# Allegro board 8880F5-0823_1_maisha.brd (continued)
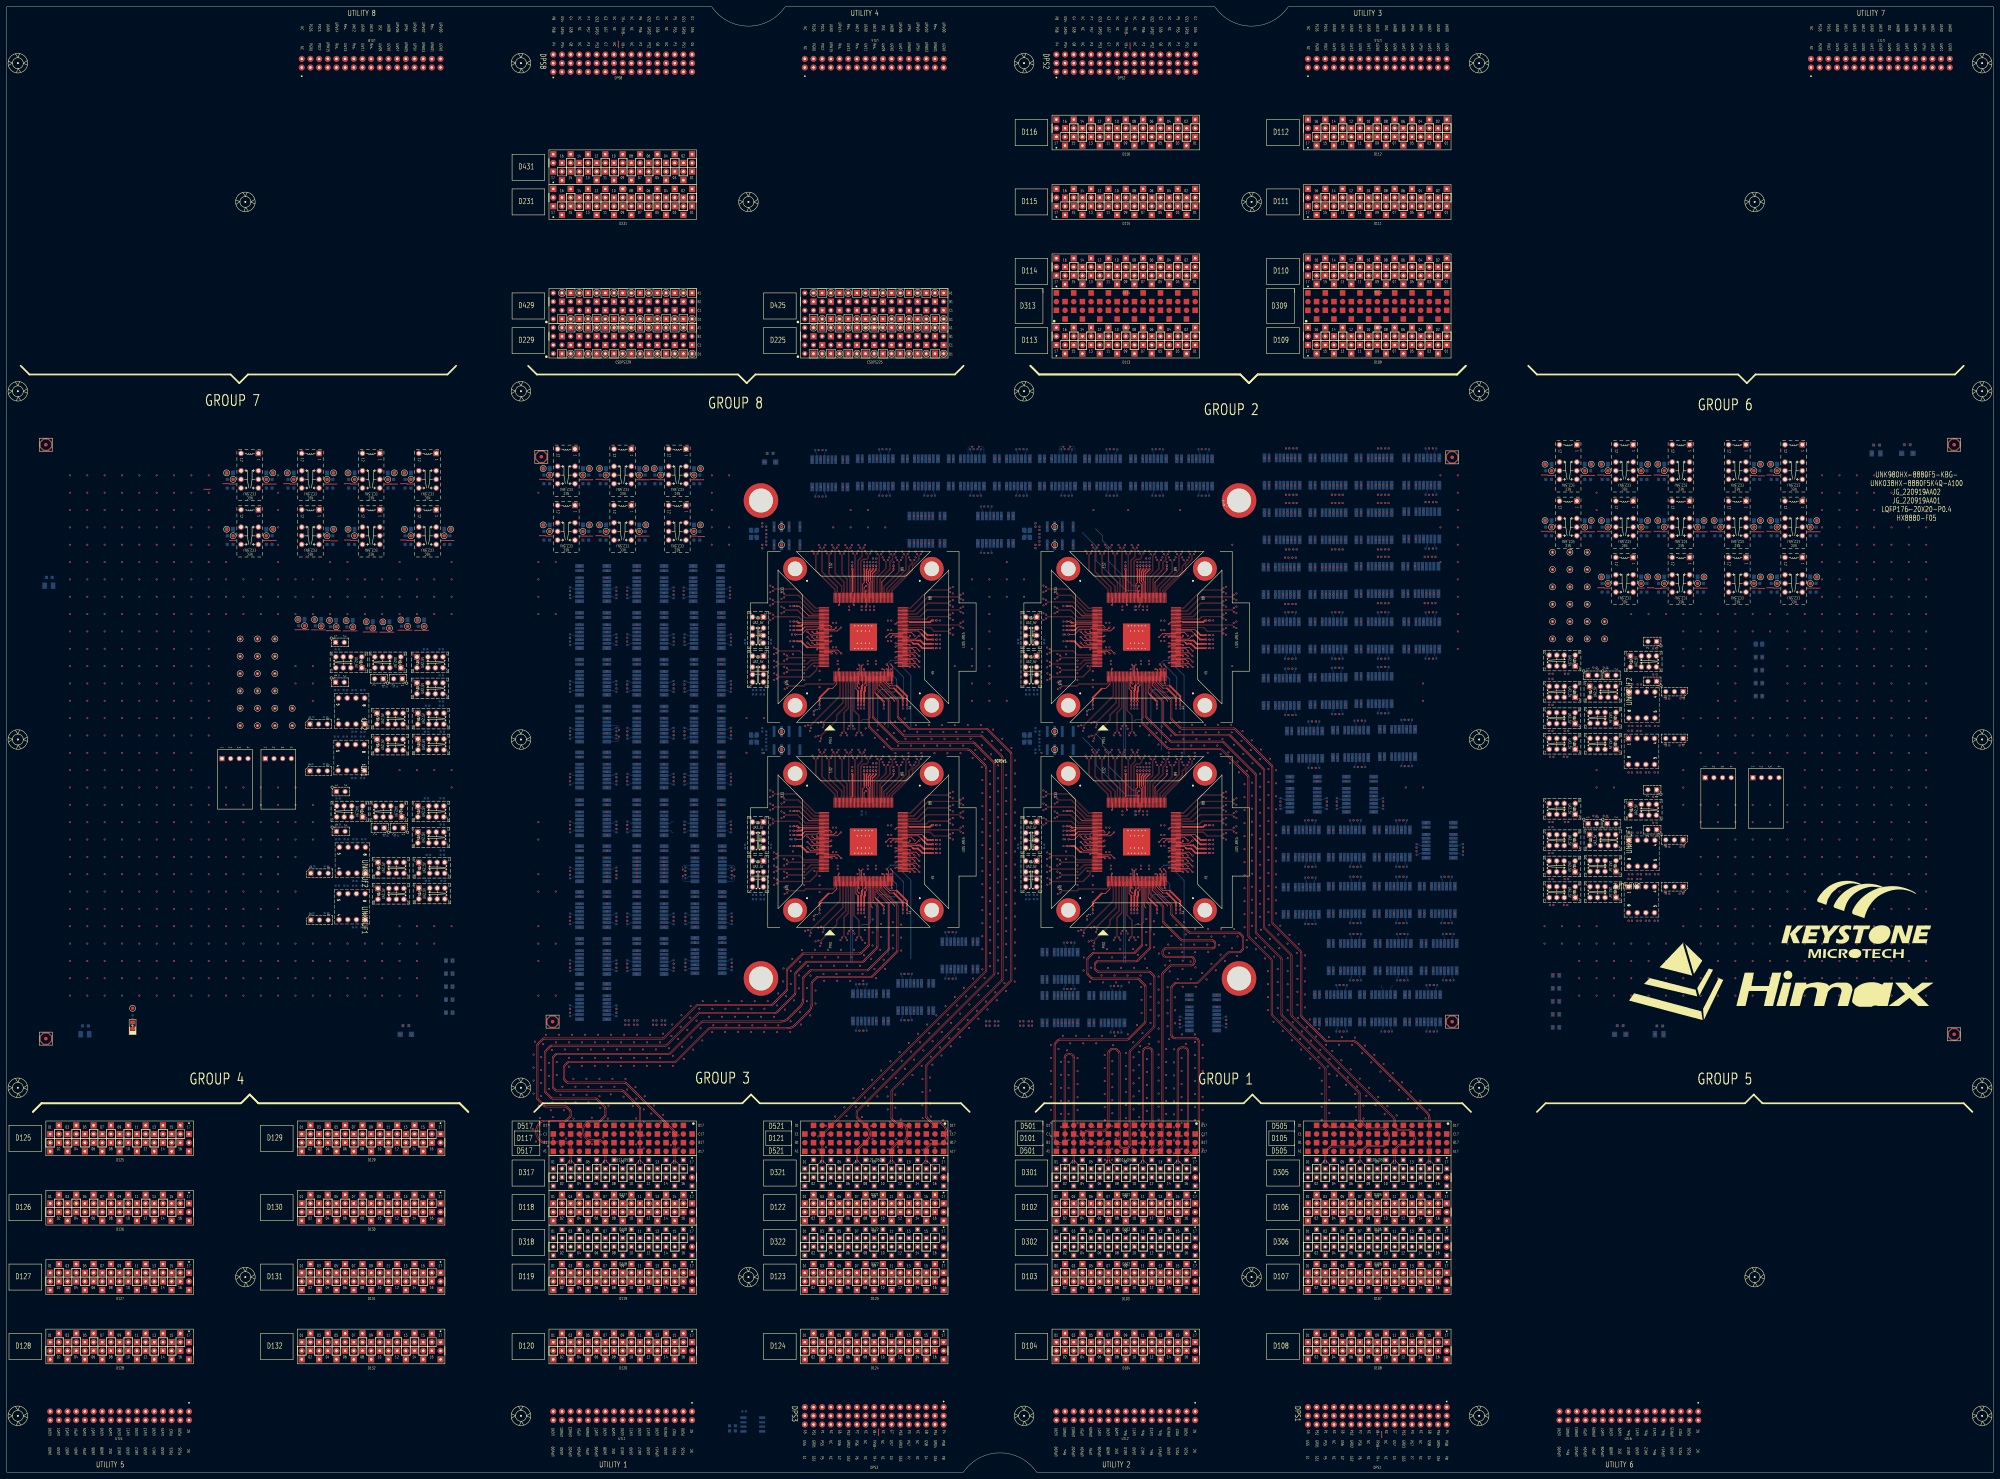
[diagram p0: board, top side]
## Placement (name value [footprint] x y rotation side) (continued)
NOREF#697  -  []  320.42 131.64 0 top
NOREF#698  -  []  459.28 227 0 top
NOREF#699  -  []  192.57 228.97 90 top
NOREF#700  -  []  415.6 146.88 0 top
NOREF#701  -  []  286.81 272.1 0 top
NOREF#702  -  []  165.8 199.39 90 top
NOREF#703  -  []  413.71 148.15 90 top
NOREF#704  -  []  411.52 146.33 90 top
NOREF#705  -  []  182.57 226.57 90 top
NOREF#706  -  []  184.47 242.78 90 top
NOREF#707  -  []  215.96 188.49 0 top
NOREF#708  -  []  400.34 194.68 90 top
NOREF#709  -  []  460.93 210.36 90 top
NOREF#710  -  []  392.47 224.4 90 top
NOREF#711  -  []  279.27 288.86 0 top
NOREF#712  -  []  407.71 217.61 0 top
NOREF#713  -  []  257.9 186.35 90 top
NOREF#714  -  []  352.24 182.32 90 top
NOREF#715  -  []  199.59 243.9 90 top
NOREF#716  -  []  117.26 190.55 90 top
NOREF#717  -  []  338.36 288.91 90 top
NOREF#718  -  []  272.55 181.37 0 top
NOREF#719  -  []  247.89 204.35 90 top
NOREF#720  -  []  310.73 247.93 0 top
NOREF#721  -  []  184.47 244.98 90 top
NOREF#722  -  []  182.82 189.04 90 top
NOREF#723  -  []  271.34 243.91 0 top
NOREF#724  -  []  167.7 229.07 90 top
NOREF#725  -  []  354.37 130.67 90 top
NOREF#726  -  []  384.08 209.16 90 top
NOREF#727  -  []  107.02 171.57 0 top
NOREF#728  -  []  330.51 288.86 0 top
NOREF#729  -  []  332.51 205.56 0 top
NOREF#730  -  []  511.59 293.82 90 top
NOREF#731  -  []  448.94 292.92 90 top
NOREF#732  -  []  395.2 297.12 0 top
NOREF#733  -  []  222.67 298 90 top
NOREF#734  -  []  167.7 233.47 90 top
NOREF#735  -  []  411.26 179.7 90 top
NOREF#736  -  []  184.47 163.2 90 top
NOREF#737  -  []  318.32 131.64 0 top
NOREF#738  -  []  184.47 231.27 90 top
NOREF#739  -  []  251.62 205.56 90 top
NOREF#740  -  []  386.46 131.89 0 top
NOREF#741  -  []  230.41 246.34 90 top
NOREF#742  -  []  252.51 205.55 0 top
NOREF#743  -  []  165.8 131.57 0 top
NOREF#744  -  []  396.55 257.37 0 top
NOREF#745  -  []  250.5 288.86 0 top
NOREF#746  -  []  331.62 205.56 0 top
NOREF#747  -  []  374.34 210.38 90 top
NOREF#748  -  []  329.28 165.04 90 top
NOREF#749  -  []  369.38 224.6 0 top
NOREF#750  -  []  380.59 271.21 0 top
NOREF#751  -  []  331.54 192.73 90 top
NOREF#752  -  []  218.13 274.06 90 top
NOREF#753  -  []  168.13 145.38 90 top
NOREF#754  -  []  251.62 265.56 90 top
NOREF#755  -  []  352.24 181.05 90 top
NOREF#756  -  []  333.72 205.86 90 top
NOREF#757  -  []  229.51 249.2 0 top
NOREF#758  -  []  333.4 265.56 90 top
NOREF#759  -  []  249.85 224.72 0 top
NOREF#760  -  []  250.23 132.14 0 top
NOREF#761  -  []  215.96 248.49 0 top
NOREF#762  -  []  309.51 247.93 0 top
NOREF#763  -  []  456.08 195.91 0 top
NOREF#764  -  []  470.71 227 90 top
NOREF#765  -  []  395.2 265.37 0 top
NOREF#766  -  []  461.96 210.36 0 top
NOREF#767  -  []  284.79 272.65 90 top
NOREF#768  -  []  378.33 257.11 90 top
NOREF#769  -  []  209.59 147.43 90 top
NOREF#770  -  []  405.17 131.89 0 top
NOREF#771  -  []  168.13 159.1 90 top
NOREF#772  -  []  231.15 159.63 90 top
NOREF#773  -  []  369.38 224.6 0 top
NOREF#774  -  []  184.89 227.17 90 top
NOREF#775  -  []  93.76 271.33 90 top
NOREF#776  -  []  459.24 175.86 90 top
NOREF#777  -  []  184.47 174.46 90 top
NOREF#778  -  []  120.24 171.1 0 top
NOREF#779  -  []  215.96 188.49 0 top
NOREF#780  -  []  344.37 128.27 90 top
NOREF#781  -  []  394.05 255.47 0 top
NOREF#782  -  []  419.4 171.64 0 top
NOREF#783  -  []  385.19 249.11 0 top
NOREF#784  -  []  101.82 271.33 90 top
NOREF#785  -  []  470.71 183.57 90 top
NOREF#786  -  []  241.6 296.61 0 top
NOREF#787  -  []  468.85 259.9 90 top
NOREF#788  -  []  272.8 157.28 0 top
NOREF#789  -  []  265.64 280.1 0 top
NOREF#790  -  []  199.84 162.12 90 top
NOREF#791  -  []  379.52 171.39 0 top
NOREF#792  -  []  199.59 216.47 90 top
NOREF#793  -  []  226.27 216.63 90 top
NOREF#794  -  []  175.7 202.99 90 top
NOREF#795  -  []  127.95 222.33 0 top
NOREF#796  -  []  394.66 226.38 90 top
NOREF#797  -  []  422.7 163.64 0 top
NOREF#798  -  []  230.43 193.37 0 top
NOREF#799  -  []  84.04 287.84 90 top
NOREF#800  -  []  119.95 222.33 0 top
NOREF#801  -  []  254.29 205.55 0 top
NOREF#802  -  []  272.25 243.59 90 top
NOREF#803  -  []  274.37 147.93 90 top
NOREF#804  -  []  334.81 296.86 0 top
NOREF#805  -  []  339.65 265.86 90 top
NOREF#806  -  []  251.05 204.65 90 top
NOREF#807  -  []  369.38 257.11 0 top
NOREF#808  -  []  403.41 209.61 0 top
NOREF#809  -  []  383.09 289.12 0 top
NOREF#810  -  []  375.22 163.39 0 top
NOREF#811  -  []  387.2 207.46 0 top
NOREF#812  -  []  115.36 235.64 90 top
NOREF#813  -  []  318.32 131.64 0 top
NOREF#814  -  []  404.4 225.16 90 top
NOREF#815  -  []  238.3 223.52 90 top
NOREF#816  -  []  392.47 272.56 90 top
NOREF#817  -  []  273.09 288.31 90 top
NOREF#818  -  []  122.15 195.15 0 top
NOREF#819  -  []  412.79 209.06 90 top
NOREF#820  -  []  116.01 214.71 0 top
NOREF#821  -  []  98.53 238.84 0 top
NOREF#822  -  []  333.4 205.55 0 top
NOREF#823  -  []  450.03 225.6 0 top
NOREF#824  -  []  272.25 249.82 0 top
NOREF#825  -  []  338.2 186.67 0 top
NOREF#826  -  []  332.51 265.55 0 top
NOREF#827  -  []  192.47 189.02 90 top
NOREF#828  -  []  406.65 255.47 90 top
NOREF#829  -  []  330.49 164.74 90 top
NOREF#830  -  []  248.21 132.69 90 top
NOREF#831  -  []  511.59 276.41 90 top
NOREF#832  -  []  234.7 286.71 90 top
NOREF#833  -  []  471.21 175.95 90 top
NOREF#834  -  []  155.57 275.14 90 top
NOREF#835  -  []  379.01 288.67 90 top
NOREF#836  -  []  167.7 231.27 90 top
NOREF#837  -  []  463.61 179.15 0 top
NOREF#838  -  []  166.06 257.62 90 top
NOREF#839  -  []  334.61 204.65 90 top
NOREF#840  -  []  406.19 188.15 0 top
NOREF#841  -  []  297.71 216.09 0 top
NOREF#842  -  []  118.7 182.93 90 top
NOREF#843  -  []  384.59 162.94 90 top
NOREF#844  -  []  481.96 276.41 90 top
NOREF#845  -  []  235.4 289.88 90 top
NOREF#846  -  []  451.68 195.91 0 top
NOREF#847  -  []  249.15 296.86 0 top
NOREF#848  -  []  326.17 131.69 90 top
NOREF#849  -  []  375.22 180.15 0 top
NOREF#850  -  []  410.52 273.37 0 top
NOREF#851  -  []  405.5 225.11 90 top
NOREF#852  -  []  329.6 163.52 90 top
NOREF#853  -  []  321.82 167.13 90 top
NOREF#854  -  []  250.18 242.88 0 top
NOREF#855  -  []  319.15 296.86 0 top
NOREF#856  -  []  184.47 151.68 90 top
NOREF#857  -  []  388.43 146.88 0 top
NOREF#858  -  []  385.19 232.85 0 top
NOREF#859  -  []  409.43 139.89 0 top
NOREF#860  -  []  343.98 288.86 0 top
NOREF#861  -  []  201.23 206.29 90 top
NOREF#862  -  []  182.82 175.58 90 top
NOREF#863  -  []  127.55 184.33 90 top
NOREF#864  -  []  405.93 240.66 90 top
NOREF#865  -  []  371.48 224.6 0 top
NOREF#866  -  []  471.21 175.95 0 top
NOREF#867  -  []  209.49 164.3 90 top
NOREF#868  -  []  253.4 205.56 0 top
NOREF#869  -  []  128.05 271.33 90 top
NOREF#870  -  []  223.56 233.86 90 top
NOREF#871  -  []  473.7 219.66 90 top
NOREF#872  -  []  184.89 254.6 90 top
NOREF#873  -  []  257.08 132.19 90 top
NOREF#874  -  []  184.47 255.15 0 top
NOREF#875  -  []  201.91 172.56 90 top
NOREF#876  -  []  261.63 255.43 90 top
NOREF#877  -  []  303.56 185.29 90 top
NOREF#878  -  []  249.28 163.82 90 top
NOREF#879  -  []  392.73 188.15 0 top
NOREF#880  -  []  167.7 244.98 90 top
NOREF#881  -  []  297.71 276.09 0 top
NOREF#882  -  []  318.45 197.01 0 top
NOREF#883  -  []  346.27 132.97 90 top
NOREF#884  -  []  165.8 212.85 0 top
NOREF#885  -  []  325.92 131.64 0 top
NOREF#886  -  []  230.41 247.61 90 top
NOREF#887  -  []  234.33 168.13 90 top
NOREF#888  -  []  453.84 179.06 0 top
NOREF#889  -  []  250.73 265.56 0 top
NOREF#890  -  []  295.96 237.06 0 top
NOREF#891  -  []  241.6 296.61 0 top
NOREF#892  -  []  175.7 205.19 90 top
NOREF#893  -  []  351.04 189.82 0 top
NOREF#894  -  []  393.19 271.21 90 top
NOREF#895  -  []  234.7 298.51 0 top
NOREF#896  -  []  96.33 238.84 0 top
NOREF#897  -  []  199.59 145.03 90 top
NOREF#898  -  []  245.15 288.66 90 top
NOREF#899  -  []  253.72 204.65 90 top
NOREF#900  -  []  284.77 146.93 90 top
NOREF#901  -  []  297.41 213.24 90 top
NOREF#902  -  []  252.51 264.35 90 top
NOREF#903  -  []  118.45 234.24 90 top
NOREF#904  -  []  237.98 163.82 90 top
NOREF#905  -  []  409.17 297.12 0 top
NOREF#906  -  []  424.98 146.33 90 top
NOREF#907  -  []  259.65 265.86 90 top
NOREF#908  -  []  201.49 174.46 90 top
NOREF#909  -  []  380.59 287.22 0 top
NOREF#910  -  []  247.25 265.56 0 top
NOREF#911  -  []  252.6 288.86 0 top
NOREF#912  -  []  237.66 164.74 0 top
NOREF#913  -  []  110.21 195.15 0 top
NOREF#914  -  []  105.83 190.55 90 top
NOREF#915  -  []  327.25 205.55 0 top
NOREF#916  -  []  272.25 182.32 90 top
NOREF#917  -  []  336.45 164.72 0 top
NOREF#918  -  []  263.63 223.82 90 top
NOREF#919  -  []  263.83 171.63 90 top
NOREF#920  -  []  118.45 239.39 0 top
NOREF#921  -  []  237.66 224.72 0 top
NOREF#922  -  []  387.39 249.11 0 top
NOREF#923  -  []  477.24 195.66 0 top
NOREF#924  -  []  378.33 217.11 0 top
NOREF#925  -  []  184.89 213.45 90 top
NOREF#926  -  []  292.74 296.86 0 top
NOREF#927  -  []  451.68 171.53 0 top
NOREF#928  -  []  463.61 171.53 0 top
NOREF#929  -  []  230.41 187.61 90 top
NOREF#930  -  []  394.05 271.21 0 top
NOREF#931  -  []  272.25 182.96 0 top
NOREF#932  -  []  301.56 179.06 0 top
NOREF#933  -  []  118.33 286.94 90 top
NOREF#934  -  []  334.29 265.55 0 top
NOREF#935  -  []  409.17 281.37 0 top
NOREF#936  -  []  411.09 146.88 90 top
NOREF#937  -  []  342.68 224.74 90 top
NOREF#938  -  []  269.94 135.19 0 top
NOREF#939  -  []  238.3 224.74 90 top
NOREF#940  -  []  352.25 241.05 90 top
NOREF#941  -  []  168.69 276.04 90 top
NOREF#942  -  []  301.95 290.13 90 top
NOREF#943  -  []  167.7 151.68 90 top
NOREF#944  -  []  271.34 189.5 0 top
NOREF#945  -  []  451.68 239.34 0 top
NOREF#946  -  []  317.83 197.63 0 top
NOREF#947  -  []  277.5 155.38 0 top
NOREF#948  -  []  310.73 183.41 0 top
NOREF#949  -  []  331.86 192.43 90 top
NOREF#950  -  []  382.47 133.16 90 top
NOREF#951  -  []  400.85 233.11 0 top
NOREF#952  -  []  392.24 193.43 0 top
NOREF#953  -  []  218.16 177.06 0 top
NOREF#954  -  []  247.25 265.55 0 top
NOREF#955  -  []  182.57 144.78 90 top
NOREF#956  -  []  257.9 246.35 90 top
NOREF#957  -  []  352.25 243.59 90 top
NOREF#958  -  []  201.23 219.75 90 top
NOREF#959  -  []  184.47 145.93 0 top
NOREF#960  -  []  331.22 253.63 0 top
NOREF#961  -  []  304.61 131.64 0 top
NOREF#962  -  []  369.63 289.12 0 top
NOREF#963  -  []  272.55 189.5 0 top
NOREF#964  -  []  100.73 238.84 0 top
NOREF#965  -  []  221.56 171.46 0 top
NOREF#966  -  []  456.08 239.34 0 top
NOREF#967  -  []  320.94 151.63 90 top
NOREF#968  -  []  216.96 180.71 0 top
NOREF#969  -  []  352.24 242.32 90 top
NOREF#970  -  []  272.25 181.05 90 top
NOREF#971  -  []  36.1 131.91 0 top
NOREF#972  -  []  252.51 265.56 0 top
NOREF#973  -  []  167.7 242.78 90 top
NOREF#974  -  []  167.7 260.9 90 top
NOREF#975  -  []  334.61 264.65 90 top
NOREF#976  -  []  309.21 187.61 0 top
NOREF#977  -  []  465.45 290.38 90 top
NOREF#978  -  []  127.3 235.64 90 top
NOREF#979  -  []  329.16 296.86 0 top
NOREF#980  -  []  518.38 276.41 90 top
NOREF#981  -  []  93.76 287.84 90 top
NOREF#982  -  []  351.34 249.5 0 top
NOREF#983  -  []  237.57 209.63 90 top
NOREF#984  -  []  478.57 291.28 90 top
NOREF#985  -  []  296.96 240.71 0 top
NOREF#986  -  []  389.7 209.36 0 top
NOREF#987  -  []  327.25 265.56 0 top
NOREF#988  -  []  300.11 273.24 90 top
NOREF#989  -  []  397.55 209.41 90 top
NOREF#990  -  []  184.47 192.32 90 top
NOREF#991  -  []  448.94 273.87 90 top
NOREF#992  -  []  118.7 188.08 0 top
NOREF#993  -  []  167.7 173.11 90 top
NOREF#994  -  []  247.57 264.65 90 top
NOREF#995  -  []  201.49 176.66 90 top
NOREF#996  -  []  215.96 248.49 0 top
NOREF#997  -  []  309.05 271.67 0 top
NOREF#998  -  []  209.49 175.56 90 top
NOREF#999  -  []  201.49 151.93 90 top
NOREF#1000  -  []  371.73 281.11 0 top
NOREF#1001  -  []  122.41 178.64 0 top
NOREF#1002  -  []  318.3 163.52 90 top
NOREF#1003  -  []  383.09 273.11 0 top
NOREF#1004  -  []  528.1 276.41 90 top
NOREF#1005  -  []  343.31 164.74 0 top
NOREF#1006  -  []  337.09 224.74 90 top
NOREF#1007  -  []  396.55 257.37 0 top
NOREF#1008  -  []  383.83 209.11 0 top
NOREF#1009  -  []  396.55 257.37 0 top
NOREF#1010  -  []  209.23 189.02 90 top
NOREF#1011  -  []  390.94 257.16 90 top
NOREF#1012  -  []  175.7 218.65 90 top
NOREF#1013  -  []  246.63 142.04 0 top
NOREF#1014  -  []  343.2 172.26 90 top
NOREF#1015  -  []  259.33 264.35 90 top
NOREF#1016  -  []  229.21 253.37 0 top
NOREF#1017  -  []  209.23 236.67 90 top
NOREF#1018  -  []  127.81 175.44 90 top
NOREF#1019  -  []  201.49 149.73 90 top
NOREF#1020  -  []  201.49 161 90 top
NOREF#1021  -  []  451.68 214.96 0 top
NOREF#1022  -  []  315.7 296.86 0 top
NOREF#1023  -  []  251.33 140.14 0 top
NOREF#1024  -  []  403.41 209.61 0 top
NOREF#1025  -  []  341.63 173.83 90 top
NOREF#1026  -  []  226.85 211.67 0 top
NOREF#1027  -  []  352.24 189.18 90 top
NOREF#1028  -  []  182.82 162.12 90 top
NOREF#1029  -  []  184.47 217.55 90 top
NOREF#1030  -  []  201.91 159.1 90 top
NOREF#1031  -  []  182.57 171.96 90 top
NOREF#1032  -  []  230.73 253.69 0 top
NOREF#1033  -  []  184.47 206.29 90 top
NOREF#1034  -  []  93.76 273.87 90 top
NOREF#1035  -  []  366.88 255.21 0 top
NOREF#1036  -  []  115.87 175.44 90 top
NOREF#1037  -  []  118.7 222.88 0 top
NOREF#1038  -  []  302.11 180.71 0 top
NOREF#1039  -  []  371.73 273.11 0 top
NOREF#1040  -  []  201.23 231.27 90 top
NOREF#1041  -  []  201.49 165.4 90 top
NOREF#1042  -  []  331.22 193.63 0 top
NOREF#1043  -  []  66.26 273.87 90 top
NOREF#1044  -  []  218.13 214.06 0 top
NOREF#1045  -  []  257.09 163.52 90 top
NOREF#1046  -  []  184.89 199.99 90 top
NOREF#1047  -  []  483.04 239.09 0 top
NOREF#1048  -  []  119.99 214.79 0 top
NOREF#1049  -  []  419.47 273.37 90 top
NOREF#1050  -  []  110.47 171.02 0 top
NOREF#1051  -  []  453.88 171.53 0 top
NOREF#1052  -  []  331.06 223.82 90 top
NOREF#1053  -  []  330.74 224.74 0 top
NOREF#1054  -  []  244.8 288.61 0 top
NOREF#1055  -  []  262.36 225.04 90 top
NOREF#1056  -  []  119.7 231.22 0 top
NOREF#1057  -  []  229.51 247.93 0 top
NOREF#1058  -  []  194.09 187.32 90 top
NOREF#1059  -  []  184.47 256.5 90 top
NOREF#1060  -  []  309.21 253.37 0 top
NOREF#1061  -  []  394.66 274.38 90 top
NOREF#1062  -  []  318.3 164.74 90 top
NOREF#1063  -  []  378.75 256.56 90 top
NOREF#1064  -  []  167.7 173.11 0 top
NOREF#1065  -  []  339.33 265.55 0 top
NOREF#1066  -  []  192.57 215.25 90 top
NOREF#1067  -  []  303.84 288.86 0 top
NOREF#1068  -  []  184.47 260.9 90 top
NOREF#1069  -  []  398.53 178.25 90 top
NOREF#1070  -  []  377.32 171.39 0 top
NOREF#1071  -  []  353.35 288.41 90 top
NOREF#1072  -  []  209.33 215.25 90 top
NOREF#1073  -  []  273.95 155.38 0 top
NOREF#1074  -  []  262.04 164.74 0 top
NOREF#1075  -  []  495.08 257.36 90 top
NOREF#1076  -  []  381.74 265.11 0 top
NOREF#1077  -  []  229.51 253.69 0 top
NOREF#1078  -  []  290.11 280.1 0 top
NOREF#1079  -  []  415.1 163.64 0 top
NOREF#1080  -  []  388.43 163.64 0 top
NOREF#1081  -  []  381.2 274.38 90 top
NOREF#1082  -  []  317.57 209.63 90 top
NOREF#1083  -  []  229.21 186.34 0 top
NOREF#1084  -  []  451.64 179.06 0 top
NOREF#1085  -  []  396.22 139.89 0 top
NOREF#1086  -  []  308.36 202.16 45 top
NOREF#1087  -  []  272.24 243.59 90 top
NOREF#1088  -  []  387.39 281.11 0 top
NOREF#1089  -  []  319.33 176.03 0 top
NOREF#1090  -  []  396.55 289.12 0 top
NOREF#1091  -  []  118.7 190.55 90 top
NOREF#1092  -  []  210.86 214.75 90 top
NOREF#1093  -  []  230.73 253.69 0 top
NOREF#1094  -  []  247.57 205.86 90 top
NOREF#1095  -  []  322.23 173.13 0 top
NOREF#1096  -  []  192.47 150.58 90 top
NOREF#1097  -  []  385.32 161.49 90 top
NOREF#1098  -  []  230.73 249.2 0 top
NOREF#1099  -  []  259.97 204.35 90 top
NOREF#1100  -  []  199.33 212.85 90 top
NOREF#1101  -  []  201.23 204.09 90 top
NOREF#1102  -  []  35.83 132.61 0 top
NOREF#1103  -  []  306.71 144.34 0 top
NOREF#1104  -  []  415.6 146.88 0 top
NOREF#1105  -  []  451.68 239.34 0 top
NOREF#1106  -  []  483.04 195.66 0 top
NOREF#1107  -  []  332.51 265.56 90 top
NOREF#1108  -  []  342.04 224.72 0 top
NOREF#1109  -  []  351.58 288.86 0 top
NOREF#1110  -  []  184.47 260.9 90 top
NOREF#1111  -  []  201.49 159.65 90 top
NOREF#1112  -  []  242.23 233.13 0 top
NOREF#1113  -  []  106.11 234.24 0 top
NOREF#1114  -  []  167.7 161 90 top
NOREF#1115  -  []  450.03 234.74 0 top
NOREF#1116  -  []  310.43 188.88 0 top
NOREF#1117  -  []  420.15 131.44 90 top
NOREF#1118  -  []  184.47 247.18 90 top
NOREF#1119  -  []  271.31 288.86 0 top
NOREF#1120  -  []  184.47 241.43 90 top
NOREF#1121  -  []  473.7 176.22 90 top
NOREF#1122  -  []  306.85 271.67 0 top
NOREF#1123  -  []  251.62 265.56 0 top
NOREF#1124  -  []  273.81 286.96 90 top
NOREF#1125  -  []  165.8 144.78 90 top
NOREF#1126  -  []  397.38 146.88 90 top
NOREF#1127  -  []  333.72 265.86 90 top
NOREF#1128  -  []  342.36 163.82 90 top
NOREF#1129  -  []  418.12 273.37 0 top
NOREF#1130  -  []  456.04 179.06 0 top
NOREF#1131  -  []  201.23 244.98 90 top
NOREF#1132  -  []  105.93 204.27 90 top
NOREF#1133  -  []  372.72 161.49 0 top
NOREF#1134  -  []  383.73 195.88 90 top
NOREF#1135  -  []  165.8 158.5 0 top
NOREF#1136  -  []  385.19 297.12 0 top
NOREF#1137  -  []  208.98 264.1 90 top
NOREF#1138  -  []  316.97 139.64 0 top
NOREF#1139  -  []  317.98 223.82 90 top
NOREF#1140  -  []  392.47 256.56 90 top
NOREF#1141  -  []  425.7 144.98 90 top
NOREF#1142  -  []  210.86 201.29 90 top
NOREF#1143  -  []  289.29 296.86 0 top
NOREF#1144  -  []  182.57 240.28 0 top
NOREF#1145  -  []  229.21 248.88 0 top
NOREF#1146  -  []  459.28 236.14 90 top
NOREF#1147  -  []  247.25 205.56 0 top
NOREF#1148  -  []  184.47 161 90 top
NOREF#1149  -  []  230.43 243.09 0 top
NOREF#1150  -  []  225.83 264.31 0 top
NOREF#1151  -  []  230.43 246.34 0 top
NOREF#1152  -  []  256.45 164.72 0 top
NOREF#1153  -  []  309.21 183.09 0 top
NOREF#1154  -  []  298.16 188.49 0 top
NOREF#1155  -  []  367.48 258.38 90 top
NOREF#1156  -  []  209.23 230.17 90 top
NOREF#1157  -  []  201.23 215.35 90 top
NOREF#1158  -  []  300.36 237.06 0 top
NOREF#1159  -  []  397.57 131.89 0 top
NOREF#1160  -  []  201.23 200.54 90 top
NOREF#1161  -  []  262.36 163.82 90 top
NOREF#1162  -  []  346.08 288.86 0 top
NOREF#1163  -  []  201.49 163.2 90 top
NOREF#1164  -  []  389.7 209.36 0 top
NOREF#1165  -  []  392.47 256.66 90 top
NOREF#1166  -  []  184.47 229.07 90 top
NOREF#1167  -  []  329.6 164.74 90 top
NOREF#1168  -  []  371.48 249.11 0 top
NOREF#1169  -  []  216.96 192.14 0 top
NOREF#1170  -  []  397.8 163.09 90 top
NOREF#1171  -  []  373.68 249.11 0 top
NOREF#1172  -  []  119.95 187.53 0 top
NOREF#1173  -  []  239.33 236.03 0 top
NOREF#1174  -  []  390.69 224.85 0 top
NOREF#1175  -  []  218.16 248.49 0 top
NOREF#1176  -  []  399.39 161.74 0 top
NOREF#1177  -  []  209.33 228.97 90 top
NOREF#1178  -  []  342.36 165.04 90 top
NOREF#1179  -  []  465.81 222.58 0 top
NOREF#1180  -  []  379.73 287.22 90 top
NOREF#1181  -  []  201.49 159.65 0 top
NOREF#1182  -  []  122.44 171.1 0 top
NOREF#1183  -  []  461.96 166.93 0 top
NOREF#1184  -  []  298.13 214.06 90 top
NOREF#1185  -  []  383.09 289.12 0 top
NOREF#1186  -  []  230.43 193.37 90 top
NOREF#1187  -  []  336.77 225.04 90 top
NOREF#1188  -  []  453.84 222.5 0 top
NOREF#1189  -  []  118.45 231.77 0 top
NOREF#1190  -  []  373.32 181.42 90 top
NOREF#1191  -  []  250.73 265.55 0 top
NOREF#1192  -  []  295.96 237.06 0 top
NOREF#1193  -  []  121.9 238.84 0 top
NOREF#1194  -  []  310.43 188.88 90 top
NOREF#1195  -  []  384.59 179.6 90 top
NOREF#1196  -  []  394.05 239.21 0 top
NOREF#1197  -  []  229.51 246.66 0 top
NOREF#1198  -  []  352.25 189.18 90 top
NOREF#1199  -  []  465.45 292.92 90 top
NOREF#1200  -  []  272.24 242.32 90 top
NOREF#1201  -  []  194.09 255.9 90 top
NOREF#1202  -  []  168.13 186.02 90 top
NOREF#1203  -  []  253.53 140.14 0 top
NOREF#1204  -  []  165.8 158.5 90 top
NOREF#1205  -  []  263.63 163.82 90 top
NOREF#1206  -  []  379.01 272.66 90 top
NOREF#1207  -  []  330.17 163.82 90 top
NOREF#1208  -  []  209.49 148.63 90 top
NOREF#1209  -  []  412.62 289.12 0 top
NOREF#1210  -  []  264.29 272.1 90 top
NOREF#1211  -  []  376.23 209.11 0 top
NOREF#1212  -  []  314.33 228.13 90 top
NOREF#1213  -  []  351.34 245.18 0 top
NOREF#1214  -  []  400.85 297.12 0 top
NOREF#1215  -  []  279.7 155.38 0 top
NOREF#1216  -  []  209.49 150.83 90 top
NOREF#1217  -  []  352.55 243.91 0 top
NOREF#1218  -  []  411.26 163.19 90 top
NOREF#1219  -  []  199.33 199.39 0 top
NOREF#1220  -  []  264.72 272.65 90 top
NOREF#1221  -  []  352.55 241.37 0 top
NOREF#1222  -  []  272.55 249.5 0 top
NOREF#1223  -  []  251.22 193.63 0 top
NOREF#1224  -  []  352.24 249.18 90 top
NOREF#1225  -  []  310.73 193.69 0 top
NOREF#1226  -  []  106.76 215.26 0 top
NOREF#1227  -  []  199.33 240.28 0 top
NOREF#1228  -  []  405.93 288.57 90 top
NOREF#1229  -  []  116.27 171.02 0 top
NOREF#1230  -  []  332.51 205.56 90 top
NOREF#1231  -  []  168.13 213.45 90 top
NOREF#1232  -  []  346.69 128.87 90 top
NOREF#1233  -  []  98.78 195.15 0 top
NOREF#1234  -  []  310.73 193.69 0 top
NOREF#1235  -  []  378.75 240.56 90 top
NOREF#1236  -  []  272.24 181.05 90 top
NOREF#1237  -  []  221.87 295.91 0 top
NOREF#1238  -  []  334.29 205.55 0 top
NOREF#1239  -  []  456.04 222.5 0 top
NOREF#1240  -  []  272.8 145.48 90 top
NOREF#1241  -  []  167.7 260.9 90 top
NOREF#1242  -  []  175.7 191.22 90 top
NOREF#1243  -  []  295.96 188.49 0 top
NOREF#1244  -  []  192.47 195.52 90 top
NOREF#1245  -  []  215.96 177.06 0 top
NOREF#1246  -  []  392.47 288.67 90 top
NOREF#1247  -  []  378.75 240.66 90 top
NOREF#1248  -  []  271.04 189.18 0 top
NOREF#1249  -  []  230.43 188.88 90 top
NOREF#1250  -  []  398.65 281.11 0 top
NOREF#1251  -  []  106.36 190.55 0 top
NOREF#1252  -  []  277.17 288.86 0 top
NOREF#1253  -  []  209.23 243.88 90 top
NOREF#1254  -  []  310.43 194.01 0 top
NOREF#1255  -  []  167.7 147.28 90 top
NOREF#1256  -  []  396.28 163.69 90 top
NOREF#1257  -  []  305.83 204.31 0 top
NOREF#1258  -  []  392.47 224.3 90 top
NOREF#1259  -  []  485.36 292.02 90 top
NOREF#1260  -  []  201.21 290.01 90 top
NOREF#1261  -  []  340.61 286.96 90 top
NOREF#1262  -  []  369.63 273.11 0 top
NOREF#1263  -  []  414.82 281.37 0 top
NOREF#1264  -  []  239.33 236.03 90 top
NOREF#1265  -  []  310.43 248.88 90 top
NOREF#1266  -  []  220.36 188.49 0 top
NOREF#1267  -  []  94.68 234.24 0 top
NOREF#1268  -  []  395.07 129.99 0 top
NOREF#1269  -  []  352.25 181.69 0 top
NOREF#1270  -  []  459.28 211.76 90 top
NOREF#1271  -  []  479.44 195.66 0 top
NOREF#1272  -  []  310.43 193.37 90 top
NOREF#1273  -  []  317.66 164.72 0 top
NOREF#1274  -  []  351.34 189.5 0 top
NOREF#1275  -  []  385.19 265.11 0 top
NOREF#1276  -  []  422.95 163.69 90 top
NOREF#1277  -  []  230.43 189.52 0 top
NOREF#1278  -  []  221.56 242.89 0 top
NOREF#1279  -  []  247.57 265.86 90 top
NOREF#1280  -  []  119.7 231.22 0 top
NOREF#1281  -  []  11.6 261.68 90 top
NOREF#1282  -  []  351.34 189.5 0 top
NOREF#1283  -  []  368.03 265.11 0 top
NOREF#1284  -  []  252.51 265.55 0 top
NOREF#1285  -  []  385.93 144.98 0 top
NOREF#1286  -  []  397.57 131.89 0 top
NOREF#1287  -  []  271.04 241.69 0 top
NOREF#1288  -  []  399.99 181.42 90 top
NOREF#1289  -  []  247.25 204.35 90 top
NOREF#1290  -  []  250.73 205.56 90 top
NOREF#1291  -  []  463.61 179.15 0 top
NOREF#1292  -  []  376.23 209.11 0 top
NOREF#1293  -  []  259.33 205.56 90 top
NOREF#1294  -  []  336.45 224.72 0 top
NOREF#1295  -  []  352.25 245.5 0 top
NOREF#1296  -  []  272.25 241.69 0 top
NOREF#1297  -  []  192.57 201.79 90 top
NOREF#1298  -  []  383.09 224.85 0 top
NOREF#1299  -  []  257.09 223.52 90 top
NOREF#1300  -  []  310.43 253.37 90 top
NOREF#1301  -  []  313.22 288.31 90 top
NOREF#1302  -  []  167.7 186.57 0 top
NOREF#1303  -  []  252.6 296.86 0 top
NOREF#1304  -  []  223.15 211.32 90 top
NOREF#1305  -  []  351.34 243.91 0 top
NOREF#1306  -  []  185.2 273.5 90 top
NOREF#1307  -  []  351.04 244.23 0 top
NOREF#1308  -  []  463.61 222.58 0 top
NOREF#1309  -  []  481.96 273.87 90 top
NOREF#1310  -  []  318.3 223.52 90 top
NOREF#1311  -  []  329.85 224.74 0 top
NOREF#1312  -  []  127.55 219.13 90 top
NOREF#1313  -  []  271.34 182.64 0 top
NOREF#1314  -  []  238.45 257.01 0 top
NOREF#1315  -  []  192.47 222.95 90 top
NOREF#1316  -  []  259.33 265.56 90 top
NOREF#1317  -  []  401.52 210.88 90 top
NOREF#1318  -  []  250.17 165.04 90 top
NOREF#1319  -  []  177.33 201.29 90 top
NOREF#1320  -  []  230.73 247.93 0 top
NOREF#1321  -  []  331.94 264.65 90 top
NOREF#1322  -  []  172.08 272.6 90 top
NOREF#1323  -  []  328.96 224.72 0 top
NOREF#1324  -  []  201.49 173.11 90 top
NOREF#1325  -  []  330.74 164.72 0 top
NOREF#1326  -  []  449.99 217.9 0 top
NOREF#1327  -  []  310.73 246.66 0 top
NOREF#1328  -  []  511.59 273.87 90 top
NOREF#1329  -  []  352.55 181.37 0 top
NOREF#1330  -  []  398.65 297.12 0 top
NOREF#1331  -  []  369.63 273.11 0 top
NOREF#1332  -  []  112.41 195.15 0 top
NOREF#1333  -  []  167.7 159.65 0 top
NOREF#1334  -  []  166.06 148.4 90 top
NOREF#1335  -  []  184.47 178.86 90 top
NOREF#1336  -  []  117.33 247.35 90 top
NOREF#1337  -  []  302.11 252.14 0 top
NOREF#1338  -  []  251.94 204.65 90 top